# Altium PCB Calipso V2.0 REV4.0.PcbDoc (part 2 of 5)
Units mm, origin at the board's own origin, x right, y up, seen from the top; angles counter-clockwise.
Board outline 192.5 x 156.5 mm, 2 copper layers (Top Layer, Bottom Layer); 418 components, 329 nets, 1534 pads, 1623 vias.
Unrouted connection lines stored in the file: 1.
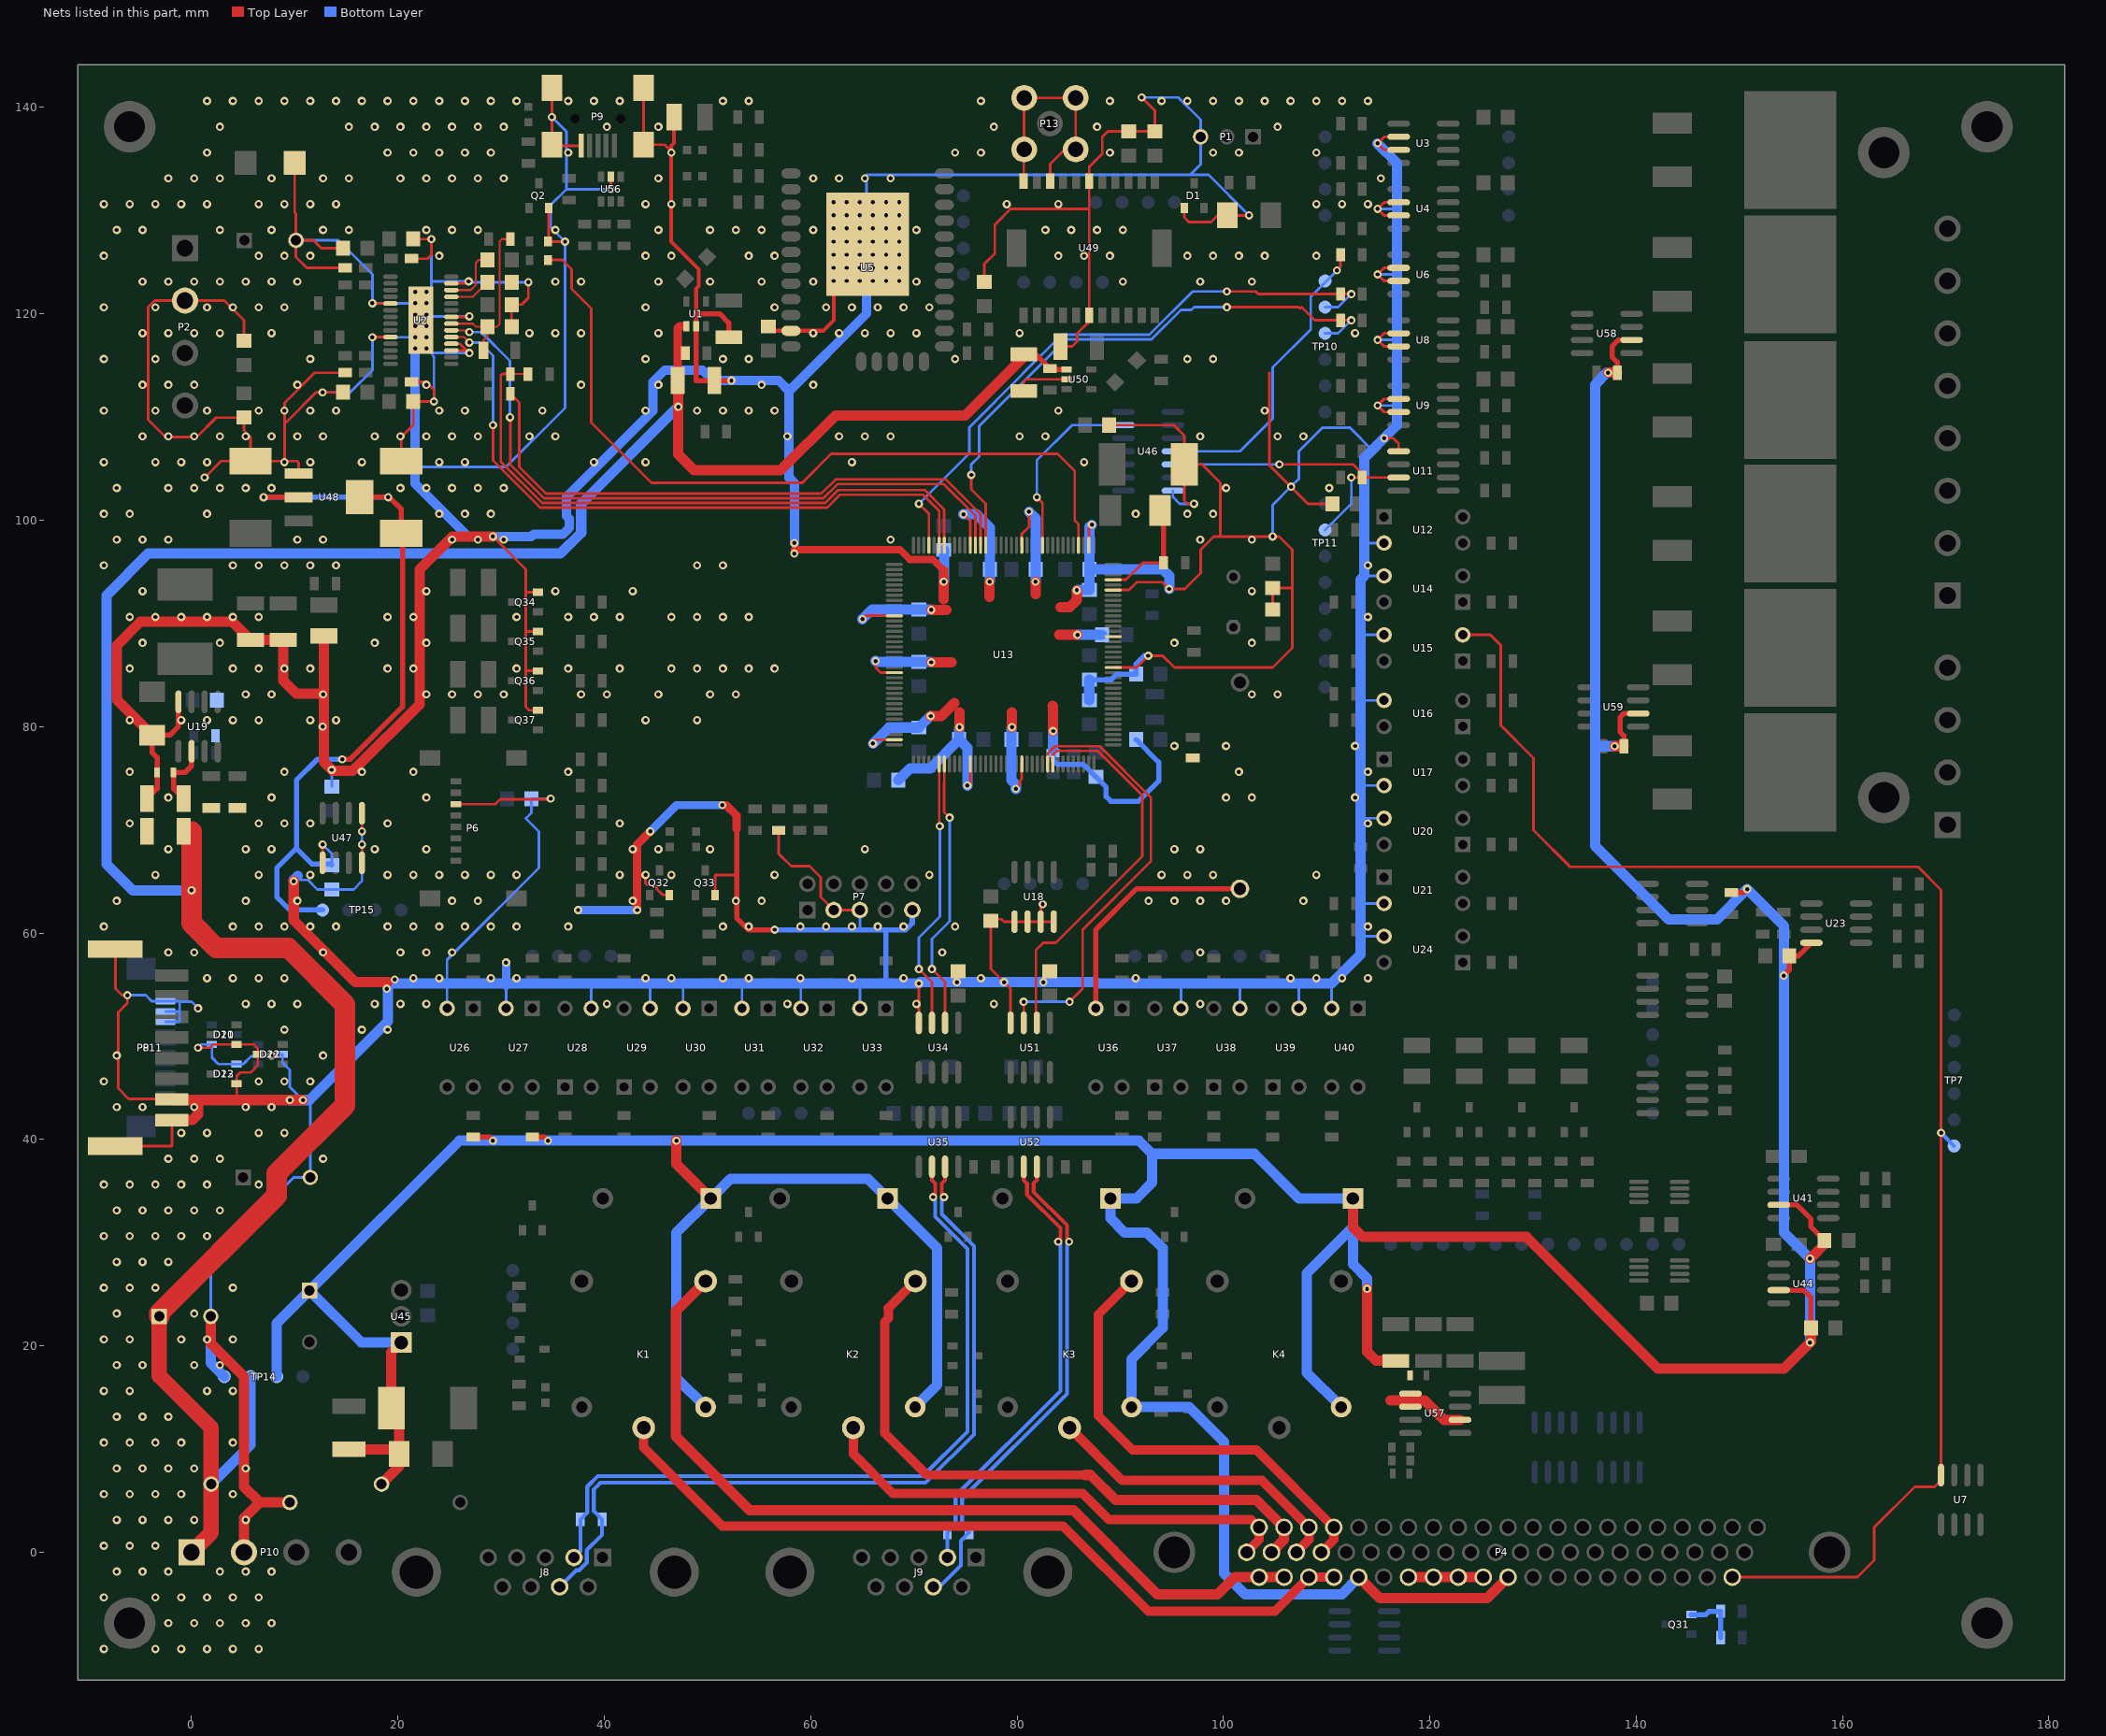
[diagram p2: the nets of this part, all layers, seen from the top]

## Part data
BOOT1 GPS1 R107 R163 R164 R165 WIFI1: "Chip resistor"
C1 C4 C6 C7 C8 C10 C11 C12 C13 C14 C15 C16 C17 C20 C21 C23 C24 C25 C26 C27 C29 C30 C31 C32 C33 C35 C36 C37 C38 C42 C43 C44 C45 C46 C47 C48 C49 C50 C51 C52 C54 C55 C56 C57 C58 C59 C60 C62 C63 C68 C69 C70 C71 C72 C73 C74 C75 C76 C77 C78 C79 C80 C87 C91: "Surface-mount ceramic multilayer capacitor"
C2 C66: library part "ChipCap 4.7uF X7R", "Surface-mount ceramic multilayer capacitor"
C3: "Polarized Capacitor (Radial) Very low impedance"
C5 C67: library part "ChipCap 10uF X7R", "Surface-mount ceramic multilayer capacitor"
C9 C18: library part "ChipCap 0.47uF X7R", "Surface-mount ceramic multilayer capacitor"
C19 C41 C64 C65: library part "Cap Pol Chip", "Polarized Capacitor (Radial)"
C22 C28 C85 C86 C88 C90 C93: library part "ChipCap 22uF X7R", "Surface-mount ceramic multilayer capacitor"
C34 C39 C40: "Polarized Capacitor (Radial)"
C81 C82 C83 C84: library part "ChipCap 1000 X7R", "Surface-mount ceramic multilayer capacitor"
C89 C92: library part "ChipCap 0.1uF X7R", "Surface-mount ceramic multilayer capacitor"
D1 D10 D12 D21 D23: "Small signal schottky dual diode"
D2: "Transient Voltage Suppressor 600W bi-directional"
D4 D20: "Transient Voltage Suppressor 600W uni-directional"
D9: "Schottky diode"
D11 D22: "Low capacitance bidirectional double ESD protection diode"
D15 D16 D17 D18: "1 Amp General Purpose Rectifier"
F2: library part "Fuse PTC1812", "Fuse PTC 1812 Thermoresistor"
FB1 FB2: library part "Ferrite Bead"
J8 J9: "Receptacle Assembly, 9 Position, Right Angle"
K1 K2 K3 K4: library part "Relay G5LE", "Relay G5LE 10A Single Pole"
L1 L2 L4 L5 L10: library part ChipInductance
LED1 LED2 LED3 LED4 LED5 LED6 LED7 LED8 LED9 LED10 LED11 LED12 LED13 LED14 LED15 LINK1 PWR1 RUN1 "STM PWR 1" "WIFI PWR 1": library part LED0603
P1: library part "Header 3 latch", "Header 3 with latch"
P2 P5 P10: library part Socket_4x5.08_RA_2Wall, "Terminal Block Socket Right Angle 4x5.08mm 2-Wall"
P3: library part Socket_8x5.08_RA_2Wall, "Terminal Block Socket Right Angle 8x5.08mm 2-Wall"
P4: "Dsub 62 Mail"
P6: library part MicroSDHeader8
P9: library part miniUSB
P13: "SMB Straight Connector"
Q1 Q6 Q9 Q12 Q14 Q16: "HEXFET N-Channel Power MOSFET"
Q2: "SOT23 NPN Silicon Planar General Purpose Transistor"
Q19 Q20 Q21 Q22 Q31: "PNP Transistor"
Q23 Q24 Q25 Q26 Q27 Q28 Q29 Q30 Q32 Q33 Q34 Q35 Q36 Q37: "NPN transistor"
R1 R2 R6 R7 R8 R9 R10 R11 R12 R13 R16 R19 R20 R21 R22 R23 R24 R25 R26 R28 R29 R30 R31 R32 R33 R35 R37 R38 R39 R40 R41 R43 R44 R45 R47 R48 R50 R51 R52 R54 R55 R56 R57 R58 R59 R60 R61 R63 R64 R65 R66 R67 R68 R70 R71 R72 R73 R74 R75 R76 R77 R78 R79 R80 R81 R82 R83 R84 R85 R86 R87 R88 R89 R90 R91 R92 R93 R94 R95 R96 R97 R98 R99 R100 R101 R102 R103 R104 R105 R106 R108 R109 R110 R111 R112 R113 R114 R115 R116 R117 R118 R119 R120 R121 R122 R123 R124 R125 R126 R127 R128 R129 R130 R131 R132 R133 R134 R135 R136 R137 R138 R139 R140 R141 R142 R143 R144 R145 R146 R148 R149 R150 R151 R152 R153 R154 R155 R156 R157 R158 R159 R160 R161 R162: "Think Film Chip resistor"
R147: library part "RES0805 100R 1%", "Think Film Chip resistor"
R166 R167: library part "ChipRes 1K5 1%", "Think Film Chip resistor"
RU1 RU2: library part "Varistor S14K25", "varistor"
TP1 TP2 TP3 TP4 TP6 TP11 TP12 TP13 TP14 TP15 TP16 TP17 TP18 TP20: library part PG-1.5-13.5-4P-2.54PH
TP5 TP7 TP8 TP9 TP10 TP21: library part PG-1.5-13.5-6P-2.54PH
U1 U50: library part LM3671MF, "600-mA Step-Down DC-DC Converter"
U2: "25-W filter-free mono class-D audio power amplifier with speaker guard"
U3 U4 U6 U8 U9 U11: "2-channel opto-coupler"
U5: library part SPWF01, "Serial-to-Wi-Fi b/g/n intelligent module"
U7 U10 U53 U54: "Transil Array for ESD protection"
U12 U14 U15 U16 U17 U20 U21 U24 U26 U27 U28 U29 U30 U31 U32 U33 U36 U37 U38 U39 U40: "4-Pin Phototransistor Optocoupler"
U13: library part STM32F407ZGT6, "ST Microcontroller ARM 32-bit Cortex M4"
U18: "256 Kbit I2C EEPROM"
U19: "DC/DC converter control circuit"
U22: "Adjustable Precision Shunt Regulator"
U23: "Dual Operational Amplifier"
U25 U55: library part TLC6515, "10-bit analog to digiyal converter"
U34 U47 U51: library part HCPL-0931-000E, "2-bit bi-direction optoisolated buffer"
U35 U52: library part MCP2551-I/SN, "CAN Transceiver"
U41 U44: "Operational Amplifier"
U42 U43: "SAR 12-bit Analog-to-Digital  (A/D)"
U45: "Linear voltage regulator 1A"
U46: "Hex Inverter"
U48: "Power Mgt Voltage Regulator"
U49: library part ML8088, "GPS Receiver"
U56: "Protection 6V 10A"
U57: "3 A, 900 kHz, monolithic synchronous step-down regulator IC"
U58 U59: library part IR4426, "IR MOSFET Dual Low Side Driver"
X1: library part "Crystall oscillator", "Quartz crystall oscillator"
X2: library part KX-327NHT, "Quartz crystal oscillator 32.768kHz"

## Free pads (board coordinates)
  round 5 hole 3: H(-6,-6.87) H(-6,138.13) H(164,73.13) H(164,135.63) H(174,-6.87) H(174,138.13)

## Via types
v1: diameter 0.8, hole 0.4, Top Layer to Bottom Layer, tented both sides, 1607 vias
v2: diameter 0.8, hole 0.4, Top Layer to Bottom Layer, 12 vias
v3: diameter 3, hole 2, Top Layer to Bottom Layer, 2 vias
v4: diameter 1.5, hole 1, Top Layer to Bottom Layer, 2 vias

## Nets (pads, with @x,y where several pads share a name; then routed paths per layer and width w, separated by ;. In a path a pad name is that pad's centre, name@x,y a point inside that pad or via, vN(x,y) a via of type N, cw(c..) or ccw(c..) an arc to the next point about the centre after c; other vN are vias at no path point)
0: P13.2 U49.20 U49.22 | length 22.8
  Top Layer w0.254: U49.22@80.645,133.119 80.645,136.144 80.685,136.184 P13.2@80.685,141.184 ; P13.2@80.685,140.93 P13.2@85.685,140.93 P13.2@85.685,135.93 84.622,135.93 83.208,134.516 U49.20@83.208,132.865
5V: C2.2 C28.2 C39.1 C66.2 C90.2 C92.2 P10.1 R1.2 R70.1 R71.1 R141.2 RU1.2 TP14.3 U1.1 U19.6 U50.1 | length 265.5
  Top Layer w0.381: 47.625,118.815 U1.1@47.945,118.815
  Top Layer w0.5: C90.2@-0.765,73.025 -1.74,74 C92.2@-1.74,75.565 -0.635,75.565 0,76.2 U19.6@0,77.61 ; C66.2@80.645,116.075 81.825,116.075 R141.2@83.185,114.715 83.285,114.615 U50.1@84.779,114.615
  Top Layer w0.8: C2.2@47.12,113.538 47.12,118.621 47.314,118.815 47.625,118.815
  Top Layer w1: C2.2@47.173,113.538 v1(47.173,110.998) 47.173,106.37 48.704,104.838 57.087,104.838 62.413,110.165 74.986,110.165 C66.2@80.771,115.95
  Top Layer w1.5: C39.1@-3.135,22.86 -3.135,17.105 1.905,12.065 RU1.2@1.905,6.604 1.905,1.905 P10.1@0,0
  Top Layer w2: C39.1@-3.135,22.86 -3.135,23.154 8.255,34.544 8.255,36.703 14.859,43.307 14.859,53.086 9.398,58.547 2.413,58.547 0,60.96 v1(0,64.135) 0,69.85
  Bottom Layer w1: v1(0,64.135) -5.715,64.135 -8.255,66.675 -8.255,92.71 -4.191,96.774 35.75,96.774 37.76,98.784 37.76,101.585 v1(47.173,110.998) ; RU1.2@1.905,6.604 5.715,10.414 TP14.3@5.715,17.018
12V: C32.2 C36.1 C38.1 C40.1 C41.1 C42.2 C43.2 C88.2 C89.2 D15.2 D16.2 D17.2 D18.2 D20.1 F2.1 K1.5 K2.5 K3.5 K4.5 P4.47 P4.53 R77.2 R106.2 R107.2 RU2.2 TP14.2 U23.8 U41.7 U44.7 U45.1 U57.1 U57.2 U57.6 U58.6 U59.6 | length 559.9
  Top Layer w0.5: R106.2@27.305,40.225 28.864,40.225 v1(29.211,39.878) ; R107.2@33.021,40.225 34.198,40.225 v1(34.545,39.878) ; C43.2@138.16,114.3 138.16,115.332 137.668,115.824 137.668,116.84 138.303,117.475 U58.6@139.56,117.475 ; C42.2@138.795,78.105 138.795,79.137 138.43,79.502 138.43,80.899 138.811,81.28 U59.6@140.195,81.28 ; R77.2@149.225,63.915 150.402,63.915 v1(150.749,64.262) ; U44.7@153.81,25.4 156.21,25.4 156.94,24.67 C38.1@156.94,22.225 ; U41.7@153.81,33.655 155.575,33.655 156.94,32.29 156.94,31.528 C36.1@158.242,30.226 ; v1(154.305,55.88) 154.845,56.42 C32.2@154.845,57.785 155.715,57.785 U23.8@156.985,59.055
  Top Layer w1: F2.1@15.24,9.965 19.685,9.965 D20.1@20.125,9.525 ; RU2.2@18.415,6.604 20.125,8.314 D20.1@20.125,9.525 ; U45.1@20.32,20.32 19.36,19.36 C41.1@19.36,13.97 20.125,13.205 D20.1@20.125,9.525 ; v1(46.991,39.878) 46.991,37.614 D15.2@50.315,34.29 ; D18.2@112.545,34.29 112.545,31.473 113.468,30.55 129.343,30.55 142.113,17.78 154.305,17.78 v1(156.845,20.32) 156.94,20.415 C38.1@156.94,21.717 ; P4.47@113.112,-2.413 115.144,-4.445 125.558,-4.445 P4.53@127.59,-2.413 ; v1(113.919,25.527) 113.919,19.431 114.805,18.545 C88.2@116.713,18.545 ; 116.205,14.732 119.507,14.732 121.412,12.827 U57.6@122.923,12.827 ; v1(137.287,114.3) C43.2@138.16,114.3 ; v1(137.922,78.105) C42.2@138.795,78.105 ; v1(156.845,28.448) 158.242,29.845 C36.1@158.242,30.226
  Bottom Layer w1: TP14.2@8.255,17.018 8.255,22.185 C40.1@11.43,25.36 ; U45.1@20.32,20.32 16.47,20.32 C40.1@11.43,25.36 ; K1.5@49.815,14.065 46.99,16.89 46.99,30.965 D15.2@50.315,34.29 52.22,36.195 65.555,36.195 D16.2@67.46,34.29 72.263,29.487 72.263,16.193 K2.5@70.135,14.065 ; K4.5@111.41,14.065 108.077,17.398 108.077,27.051 112.545,31.519 ; P4.47@113.112,-2.413 111.461,-4.064 102.108,-4.064 100.076,-2.032 100.076,10.668 96.679,14.065 K3.5@91.09,14.065 91.09,18.7 94.107,21.717 94.107,29.464 92.583,30.988 90.424,30.988 89.05,32.362 D17.2@89.05,34.29 91.567,34.29 93.091,35.814 93.091,38.608 ; v1(113.919,25.527) 113.919,26.543 112.545,27.917 112.545,31.519 ; v1(137.287,114.3) 137.16,114.3 136.017,113.157 136.017,78.105 ; v1(137.922,78.105) 136.017,78.105 ; v1(156.845,20.32) v1(156.845,28.448) 154.305,30.988 v1(154.305,55.88) 154.305,60.706 v1(150.749,64.262) 147.828,61.341 143.129,61.341 136.017,68.453 136.017,78.105 ; C40.1@11.43,25.36 25.948,39.878 v1(34.545,39.878) v1(46.991,39.878) 91.821,39.878 93.091,38.608 ; 93.091,38.608 102.997,38.608 107.315,34.29 D18.2@112.545,34.29 112.545,31.519
15V: P4.49 P4.50 P4.51 P4.52 | length 7.2
  Top Layer w1: P4.49@117.938,-2.413 P4.50@120.351,-2.413 P4.51@122.764,-2.413 P4.52@125.177,-2.413
+5DV: C25.2 C65.1 TP15.1 U47.1 U48.2 U48.4 | length 77.7
  Top Layer w0.254: U47.1@12.7,66.815 v1(12.7,68.58)
  Top Layer w0.5: v1(6.985,102.235) U48.2@10.385,102.235 ; v1(14.605,76.835) 15.367,76.835 20.447,81.915 C65.1@20.447,98.735 ; U48.4@16.285,102.235 v1(19.05,102.235) 19.177,102.235 20.32,101.092 C65.1@20.32,98.735
  Bottom Layer w0.254: v1(12.7,68.58) 13.589,67.691 C25.2@13.589,66.58
  Bottom Layer w0.5: v1(6.985,102.235) v1(19.05,102.235) ; TP15.1@12.7,62.23 9.525,62.23 8.255,63.5 8.255,66.294 10.16,68.199 ; C25.2@13.589,66.58 13.494,66.675 11.684,66.675 10.16,68.199 ; v1(14.605,76.835) 12.192,76.835 10.16,74.803 10.16,68.199
ADC_MISO: R35.1 TP11.2 U11.7 U46.5 | length 29.6
  Top Layer w0.254: v1(105.41,105.41) 112.55,105.41 113.82,104.14 U11.7@116.98,104.14 ; v1(112.395,104.14) R35.1@113.445,104.14
  Bottom Layer w0.254: U46.5@95.11,105.41 v1(105.41,105.41) ; TP11.2@109.855,99.06 112.395,101.6 v1(112.395,104.14)
ADC_PRESSURE: U13.22
AGND: "STM PWR 1.1" "WIFI PWR 1.1" C2.1 C3.2 C5.1 C6.2 C10.1 C12.1 C13.1 C15.2 C16.2 C17.1 C19.2 C20.2 C21.2 C22.1 C23.1 C24.1 C25.1 C26.1 C27.1 C28.1 C34.2 C39.2 C44.2 C45.1 C46.1 C47.1 C48.1 C49.1 C50.2 C51.1 C52.1 C54.1 C55.1 C56.1 C57.1 C58.1 C59.2 C60.2 C63.1 C64.2 C65.2 C66.1 C67.1 C68.1 C69.1 C70.1 C71.1 C72.1 C76.2 C77.1 C78.1 C79.1 C80.1 C81.1 C82.1 C83.1 C84.1 C90.1 C91.1 C92.1 C93.1 D1.1 D2.1 D4.2 D9.1 D10.1 D11.3 D12.1 D21.1 D22.3 D23.1 P1.3 P2.2 P6.3 P7.3 P7.5 P7.9 P8.7 P8.8 P8.9 P8.10 P9.5 P9.6 P9.7 P9.8 P9.9 P10.2 P11.8 P11.9 P11.10 P12.1 Q2.2 Q32.2 Q33.2 Q34.2 Q35.2 Q36.2 Q37.2 R56.1 R64.1 R153.1 R160.2 RU1.1 TP14.4 U1.2 U2.3 U2.4 U2.8 U2.13 U2.19 U2.24 U2.29 U3.2 U3.3 U4.2 U4.3 U5.23 U5.25 U6.2 U6.3 U8.2 U8.3 U9.2 U9.3 U11.5 U12.2 U13.16 U13.31 U13.38 U13.51 U13.61 U13.83 U13.94 U13.107 U13.120 U13.130 U14.3 U15.3 U16.3 U17.2 U18.1 U18.2 U18.3 U18.4 U19.4 U20.3 U21.2 U24.3 U26.2 U27.2 U28.3 U29.3 U30.2 U31.2 U32.2 U33.2 U34.4 U36.2 U37.3 U38.3 U39.3 U40.2 U46.7 U47.4 U47.5 U48.1 U49.6 U49.17 U50.2 U51.4 U56.2 | length 1536.6
  Top Layer w0.254: P8.10@-7.385,39.345 -1.93,39.345 -1.905,39.37 P8.8@-1.905,41.88 ; P8.9@-7.385,58.445 -7.385,54.629 -6.731,53.975 v1(-6.223,53.975) -6.223,53.212 -7.112,52.323 -7.112,44.963 -6.091,43.942 -1.967,43.942 P8.7@-1.905,43.88 ; v1(0.635,48.895) 1.778,48.895 2.098,49.215 6.03,49.215 6.42,48.825 D11.3@6.42,48.26 6.42,47.187 5.715,46.482 4.699,46.482 4.375,46.158 D12.1@4.375,45.405 4.375,43.872 4.318,43.815 ; v1(0.635,52.705) v1@0.877,52.705 ; v1(1.27,104.14) 2.865,105.735 C64.2@5.715,105.735 ; C15.2@5.08,117.38 5.08,119.38 3.175,121.285 P2.2@-0.635,121.285 -3.556,121.285 -4.191,120.65 -4.191,109.728 -2.54,108.077 0.508,108.077 2.381,109.95 C20.2@5.08,109.95 5.08,108.712 5.715,108.077 C64.2@5.715,105.735 ; D2.1@9.995,134.62 9.995,129.832 10.12,129.707 C3.2@10.12,127.127 ; U48.1@10.385,104.535 10.385,105.566 10.216,105.735 v1@9.017,105.735 ; C79.1@14.7,112.395 v1(12.7,112.395) 12.065,112.395 9.017,109.347 ; C77.1@14.7,126.365 12.573,126.365 11.811,127.127 C3.2@10.12,127.127 ; C83.1@14.875,114.3 11.938,114.3 9.017,111.379 9.017,109.347 ; C82.1@14.875,124.46 11.176,124.46 10.12,125.516 C3.2@10.12,127.127 ; U47.4@16.51,66.815 v1(16.51,68.58) ; v1(16.51,69.85) U47.5@16.51,71.615 ; v1(17.526,117.729) 17.552,117.755 U2.24@19.275,117.755 ; v1(17.526,121.031) 17.552,121.005 U2.19@19.275,121.005 ; C65.2@20.32,105.735 20.32,108.077 21.495,109.252 C80.1@21.495,111.506 v1(23.495,111.506) 23.495,112.649 22.733,113.411 C84.1@21.32,113.411 ; C81.1@21.32,125.349 22.86,125.349 23.241,125.73 v1(23.241,127.254) C78.1@21.495,127.254 ; U2.3@25.175,116.455 v1@26.674,116.455 ; U2.4@25.175,117.105 26.012,117.105 26.623,116.494 26.635,116.494 v1@26.674,116.455 ; U2.8@25.175,119.705 26.853,119.705 26.924,119.634 v1(26.924,119.761) ; U2.13@25.175,122.955 v1@26.689,122.955 ; P6.3@25.626,72.492 29.432,72.492 29.911,72.971 34.871,72.971 34.817,73.025 v1(34.798,73.025) ; v1(26.924,116.205) v1@26.674,116.455 ; v1(29.21,98.425) 32.385,95.25 32.385,93.091 ; C63.1@31.02,118.745 C76.2@31.02,120.904 32.004,120.904 32.639,121.539 v1(32.639,123.063) ; Q37.2@33.585,81.595 32.705,81.595 32.385,81.915 32.385,85.471 ; Q36.2@33.585,85.405 32.451,85.405 32.385,85.471 ; Q35.2@33.585,89.215 32.446,89.215 32.385,89.154 ; Q34.2@33.585,93.025 32.451,93.025 32.385,93.091 ; Q2.2@34.605,130.245 34.605,127.05 R160.2@34.555,127 v1(36.195,127) ; P9.7@34.92,141.895 P9.6@34.92,136.395 35.02,136.295 P9.5@37.77,136.295 ; v1(40.64,132.08) U56.2@40.64,133.28 ; 43.18,65.659 43.209,65.63 v1(44,65.63) 44,64.839 44.196,64.643 44.863,64.643 45.066,64.44 45.066,64.281 45.65,63.697 Q32.2@46.289,63.697 ; P9.9@43.82,141.895 P9.8@43.82,136.395 45.85,136.395 v1@46.482,135.763 ; Q33.2@50.734,63.697 50.734,65.593 50.771,65.63 52.803,65.63 52.803,65.561 ; R64.1@56.896,69.943 56.896,67.691 58.112,66.475 59.883,66.475 60.96,65.398 60.96,63.5 P7.3@62.23,62.23 P7.5@64.77,62.23 ; v1(65.024,90.424) 65.37,90.77 66.722,90.77 66.747,90.745 U13.83@68.14,90.745 ; v1(66.04,78.359) 66.04,78.486 66.299,78.745 U13.107@68.14,78.745 ; v1(66.294,86.36) 66.294,85.725 66.774,85.245 U13.94@68.14,85.245 ; U34.4@70.486,51.295 v1(70.486,55.118) ; v1(74.168,55.245) 74.168,56.166 C27.1@74.295,56.293 ; v1(74.803,100.584) 75.459,99.928 U13.61@75.459,97.583 ; v1(75.184,74.295) 75.459,74.57 U13.120@75.459,76.383 ; U13.61@75.467,97.572 U13.61@75.468,97.574 ; C16.2@76.835,123.095 76.835,124.841 77.851,125.857 77.851,128.651 79.375,130.175 86.995,130.175 ; U51.4@79.375,51.295 79.375,54.61 v1(78.74,55.245) 77.47,56.515 C12.1@77.47,61.182 77.629,61.341 78.486,61.341 78.727,61.1 U18.1@79.756,61.1 U18.2@81.026,61.1 U18.3@82.296,61.1 ; v1(79.883,73.979) 80.264,74.36 80.264,74.721 80.459,74.916 U13.130@80.459,76.383 ; U13.51@80.459,97.583 80.459,98.664 81.168,99.373 81.168,100.823 v1(81.153,100.838) ; C66.1@80.645,112.525 80.645,113.411 80.899,113.665 U50.2@84.779,113.665 ; v1(82.486,62.801) 82.296,62.611 U18.3@82.296,61.1 ; v1(82.55,55.245) C72.1@82.55,56.293 ; U18.4@83.566,61.1 U18.3@82.296,61.1 ; C67.1@84.204,116.84 85.344,116.84 85.852,117.348 85.852,118.11 86.995,119.253 U49.6@86.995,119.865 86.995,130.175 ; U13.38@86.959,97.583 86.959,99.278 v1(87.249,99.568) ; C17.1@88.932,109.22 95.194,109.22 96.21,108.204 C19.2@96.21,105.41 ; U13.16@89.34,85.745 91.587,85.745 v1(92.71,86.868) 94.107,86.868 95.25,85.725 104.775,85.725 106.68,87.63 106.68,93.345 ; U13.31@89.34,93.245 90.846,93.245 91.596,93.995 94.092,93.995 v1(94.742,93.345) 96.266,93.345 97.79,94.869 97.79,97.155 99.06,98.425 99.695,98.425 ; v1(92.075,140.97) 93.345,139.7 C69.1@93.345,137.7 C68.1@90.805,137.7 88.805,137.7 88.265,137.16 88.265,135.509 86.995,134.239 U49.17@86.995,132.865 86.995,130.175 ; D1.1@96.205,130.245 96.205,129.347 96.647,128.905 98.806,128.905 99.441,129.54 D4.2@100.389,129.54 v1(102.489,129.54) ; v1(97.155,101.6) 96.52,101.6 96.21,101.91 C19.2@96.21,105.41 ; 104.465,114.3 104.465,105.327 108.192,101.6 C21.2@110.585,101.6 ; C24.1@104.775,91.345 C23.1@104.775,93.44 106.585,93.44 106.68,93.345 ; v1(115.57,107.95) 116.459,107.95 116.98,107.429 U11.5@116.98,106.68 ; U9.3@116.98,110.49 115.57,110.49 v1(114.935,111.125) 115.57,111.76 U9.2@116.98,111.76 ; U8.3@116.98,116.84 115.57,116.84 v1(114.935,117.475) 115.57,118.11 U8.2@116.98,118.11 ; U6.3@116.98,123.19 115.57,123.19 v1(114.935,123.825) 115.57,124.46 U6.2@116.98,124.46 ; U4.3@116.98,129.54 115.57,129.54 v1(114.935,130.175) 115.57,130.81 U4.2@116.98,130.81 ; U3.3@116.98,135.89 115.57,135.89 v1(114.935,136.525) 115.57,137.16 U3.2@116.98,137.16 ; C64.2@5.715,105.735 v1@9.017,105.735 ; v1@9.017,105.735 9.017,109.347 ; 32.385,85.471 32.385,89.154 ; 32.385,89.154 32.385,93.091 ; C19.2@96.21,105.41 97.917,105.41 99.695,103.632 99.695,98.425 ; 99.695,98.425 v1(104.775,98.425) 105.41,98.425 106.68,97.155 106.68,93.345
  Top Layer w0.381: 46.76,139.065 46.76,136.549 46.482,136.271 46.482,135.763 46.482,127 49.144,124.338 49.144,122.682 48.895,122.433 48.895,120.015 U1.2@48.895,118.815 ; C6.2@55.88,118.777 56.293,118.364 U5.23@58.097,118.364 61.214,118.364 62.23,119.38 62.23,123.38 U5.25@65.59,126.74
  Top Layer w0.5: C90.1@-4.315,73.025 -3.34,74 C92.1@-3.34,75.565 -3.34,77 -3.81,77.47 D9.1@-3.81,79.18 -2.1,79.18 -1.27,80.01 U19.4@-1.27,82.41 ; U1.2@48.895,118.815 48.895,113.538 C2.1@50.67,113.538 v1(52.324,113.538) ; 48.895,120.015 51.181,120.015 52.07,119.126 C5.1@52.07,117.732 ; 52.832,70.104 52.832,61.468 53.975,60.325 v1(56.515,60.325) ; U36.2@87.63,52.705 87.63,60.325 91.6,64.295 P12.1@101.6,64.295
  Top Layer w0.7: v1@58.42,97.155 68.648,97.155 69.595,96.208 71.813,96.208 72.898,95.123
  Top Layer w0.8: v1(43.18,62.23) 43.18,65.659 43.18,68.58 v1(44.45,69.85) ; v1(51.435,72.39) 51.816,72.39 52.832,71.374 52.832,70.104
  Top Layer w0.9: v1(72.898,94.045) 72.898,95.123
  Top Layer w1: D9.1@-3.81,79.18 -7.239,82.609 -7.239,87.884 -4.953,90.17 3.94,90.17 C22.1@5.715,88.395 C93.1@8.89,88.395 8.89,84.455 10.16,83.185 v1@12.827,83.185 ; P8.8@-1.905,41.88 0.097,41.88 0.635,42.418 0.635,43.815 ; P8.7@-1.905,43.88 -1.84,43.815 0.635,43.815 ; C39.2@1.865,22.86 1.865,20.233 5.08,17.018 5.08,6.35 6.604,4.826 ; P10.2@5.08,0 5.08,3.302 6.604,4.826 ; RU1.1@9.525,4.826 6.604,4.826 ; v1(9.906,65.024) 9.906,61.214 15.875,55.245 19.05,55.245 ; v1(10.795,43.815) v1(9.525,43.815) 4.318,43.815 0.635,43.815 ; 12.827,88.797 v1@12.827,83.185 ; v1(29.21,98.425) 25.273,98.425 22.098,95.25 22.098,82.169 16.002,76.073 15.949,76.073 15.61,75.735 13.673,75.735 v1(13.589,75.819) 12.827,76.581 v1@12.827,83.185 ; v1(71.628,81.026) 72.644,81.026 73.914,82.296 ; v1(71.69,86.233) 73.66,86.233 ; v1(71.69,91.313) 73.152,91.313 ; 72.898,92.329 v1(72.898,94.045) ; v1(74.422,79.945) 74.422,81.407 ; 77.343,92.583 v1(77.343,94.045) ; v1(79.502,79.945) 79.502,81.407 ; 81.788,92.837 v1(81.788,94.045) ; 83.439,82.042 83.49,81.991 v1(83.49,79.578) ; 84.074,88.9 v1(85.852,88.9) ; 84.201,91.567 85.09,91.567 85.79,92.267 v1(85.79,93.218)
  Bottom Layer w0.254: v1(-6.223,53.975) -4.445,53.975 -3.865,53.395 P11.10@-2.54,53.395 -1.198,53.395 -1.143,53.34 ; P11.8@-2.54,51.395 -1.183,51.395 -1.143,51.435 -1.143,52.395 ; P11.9@-2.54,52.395 -1.143,52.395 ; v1(0.635,48.895) 0.955,49.215 D21.1@1.975,49.215 1.975,47.936 2.606,47.305 D23.1@4.375,47.305 5.014,47.305 5.769,48.06 7.674,48.06 7.874,48.26 D22.3@8.82,48.26 8.82,47.441 9.525,46.736 9.525,45.085 v1(10.795,43.815) ; v1(0.635,52.705) 0,53.34 -1.143,53.34 ; C39.2@1.865,22.86 1.865,28.281 9.906,36.322 C34.2@11.505,36.322 11.505,43.74 11.43,43.815 ; v1@9.906,65.151 11.271,65.151 12.192,64.23 15.716,64.23 16.51,65.024 v1(16.51,68.58) v1(16.51,69.85) ; C3.2@10.12,127.127 14.224,127.127 17.526,123.825 v1(17.526,121.031) v2(21.675,121.03) v2(21.675,121.03) ; v1(12.7,112.395) 15.367,112.395 17.526,114.554 v1(17.526,117.729) v2(21.675,117.73) v2(21.675,117.73) ; C13.1@13.589,74.2 v1(13.589,75.819) ; 21.675,105.156 30.473,105.156 36.195,110.878 v1(36.195,127) 34.798,128.397 34.798,130.556 36.322,132.08 ; v2(22.775,116.63) 23.2,116.205 v1(26.924,116.205) ; v2(22.775,119.93) 22.944,119.761 v1(26.924,119.761) ; 23.241,122.682 23.241,123.151 ; v1(23.241,127.254) 23.241,123.151 ; 23.368,115.951 23.495,115.824 v1(23.495,111.506) ; U26.2@24.765,52.705 24.765,55.117 24.765,57.404 33.655,66.294 33.655,69.85 32.385,71.12 32.925,71.66 C60.2@32.925,73.025 v1(34.798,73.025) ; U27.2@30.481,52.705 30.481,54.864 ; v1(32.639,123.063) 26.947,123.063 v1(26.859,123.151) 23.241,123.151 ; v1(34.925,139.065) 36.322,137.668 36.322,132.08 ; U28.3@38.735,52.705 38.735,55.117 ; v1(40.64,132.08) 36.322,132.08 ; U29.3@44.451,52.705 44.451,55.118 ; U30.2@47.625,52.705 47.625,55.117 ; U31.2@53.34,52.705 53.34,55.117 ; U32.2@59.055,52.705 59.056,55.118 ; U33.2@64.77,52.705 64.77,55.117 ; P7.5@64.77,62.23 64.77,60.452 64.897,60.325 ; 65.278,127.508 65.405,127.635 65.405,133.477 96.774,133.477 ; v1@67.183,123.444 68.326,122.301 ; U36.2@87.63,52.705 87.63,54.991 87.757,55.118 ; v1(92.075,140.97) 95.631,140.97 97.79,138.811 P1.3@97.79,137.16 97.79,134.493 96.774,133.477 ; U46.7@95.11,102.87 95.11,102.248 95.758,101.6 v1(97.155,101.6) ; U37.3@95.885,52.705 95.885,55.118 ; U38.3@101.6,52.705 101.6,55.118 ; v1(102.489,129.54) 98.552,133.477 96.774,133.477 ; v1(104.775,98.425) 104.775,101.473 v1(106.553,103.251) 107.315,104.013 107.315,106.68 109.601,108.966 112.268,108.966 114.427,106.807 ; U39.3@107.315,52.705 107.315,54.991 107.442,55.118 ; U40.2@110.49,52.705 110.49,55.118 ; 113.284,59.69 U24.3@115.57,59.69 ; 113.284,62.865 U21.2@115.57,62.865 ; 113.284,71.12 U20.3@115.57,71.12 ; 113.284,74.295 U17.2@115.57,74.295 ; 113.284,82.677 113.411,82.55 U16.3@115.57,82.55 ; 113.284,88.9 U15.3@115.57,88.9 ; 113.665,94.615 U14.3@115.57,94.615 ; 113.665,97.79 U12.2@115.57,97.79 ; v1(114.935,111.125) 116.84,111.125 ; v1(114.935,117.475) 116.84,117.475 ; v1(114.935,123.825) 116.84,123.825 ; v1(114.935,130.175) 116.84,130.175 ; -1.143,52.395 -1.143,53.34
  Bottom Layer w0.5: v1(56.515,60.325) 64.897,60.325 67.31,60.325 ; 67.183,55.118 67.31,55.245 67.31,60.325 ; P7.9@69.85,62.23 69.85,60.96 69.215,60.325 67.31,60.325 ; R153.1@83.49,77.82 83.49,76.784 83.947,76.327 86.455,76.327 C58.1@87.63,75.152 88.646,74.136 88.646,73.221 89.096,72.771 91.753,72.771 93.726,74.744 93.726,76.549 C70.1@91.535,78.74 ; C51.1@86.995,84.55 89.122,84.55 89.662,85.09 C71.1@91.535,85.09 91.535,86.074 92.329,86.868 v1(92.71,86.868)
  Bottom Layer w0.8: 30.481,54.864 v1(30.481,57.15) ; v1(37.465,62.23) v1(43.18,62.23) ; v1(44.45,69.85) 46.99,72.39 v1(51.435,72.39)
  Bottom Layer w0.9: v2(21.675,116.63) 21.675,105.156 21.675,103.547 26.797,98.425 v1(29.21,98.425) 32.918,98.425 33.138,98.645 35.995,98.645 36.61,99.26 36.61,100.13 36.337,100.403 36.337,102.25 44.704,110.617 44.704,113.411 45.847,114.554 49.53,114.554 50.546,113.538 v1(52.324,113.538) 56.896,113.538 57.912,112.522 ; v1(58.42,97.79) 58.42,103.632 57.912,104.14 57.912,112.522 ; 65.405,125.095 65.405,120.015 57.912,112.522 ; 66.675,123.19 66.675,124.968
  Bottom Layer w1: C39.2@1.865,22.86 1.865,18.328 TP14.4@3.175,17.018 ; v1(9.525,43.815) v1(10.795,43.815) 11.43,43.815 19.05,51.435 19.05,55.117 24.765,55.117 30.479,55.117 ; v1@9.906,65.151 10.287,65.532 ; 30.48,55.118 38.736,55.118 44.451,55.118 47.626,55.118 53.341,55.118 59.056,55.118 64.771,55.118 67.183,55.118 v1(70.486,55.118) 70.613,55.245 v1(74.168,55.245) v1(78.74,55.245) v1(82.55,55.245) 87.63,55.245 87.757,55.118 95.885,55.118 101.6,55.118 107.442,55.118 110.49,55.118 113.284,57.912 113.284,59.69 113.284,62.865 113.284,71.12 113.284,74.295 113.284,82.677 113.284,88.9 113.284,94.234 113.665,94.615 113.665,97.79 113.665,106.045 114.427,106.807 v1(115.57,107.95) 116.84,109.22 116.84,111.125 116.84,117.475 116.84,123.825 116.84,130.175 116.84,134.62 v1(114.935,136.525) ; v1(65.024,90.424) 65.945,91.345 71.658,91.345 v1(71.69,91.313) ; v1(66.04,78.359) 67.596,79.915 C55.1@70.485,79.915 71.596,81.026 v1(71.628,81.026) ; v1(66.294,86.36) 66.389,86.265 C52.1@70.485,86.265 71.658,86.265 v1(71.69,86.233) ; C59.2@68.485,74.803 69.628,75.946 71.596,75.946 C57.1@74.39,78.74 ; v1(72.898,94.045) 72.93,94.077 72.93,97.091 C44.2@72.898,97.123 ; v1(74.422,79.945) 74.39,79.913 C57.1@74.39,78.74 ; v1(74.803,100.584) 76.073,100.584 77.375,99.282 77.375,94.077 v1(77.343,94.045) ; v1(75.184,74.295) 75.184,77.946 C57.1@74.39,78.74 ; v1(79.502,79.945) 79.47,79.913 79.47,74.835 79.883,74.422 v1(79.883,73.979) ; v1(81.153,100.838) 81.82,100.171 C46.1@81.82,95.25 ; v1(81.788,94.045) C46.1@81.788,95.25 ; R153.1@83.49,77.82 v1(83.49,79.578) ; v1(85.79,93.218) 85.822,93.25 C48.1@86.995,93.25 87.027,93.282 C45.1@87.027,95.25 ; v1(85.852,88.9) C50.2@88.233,88.9 ; C54.1@86.995,82.582 C51.1@86.995,84.55 ; v1(87.249,99.568) 87.027,99.346 C45.1@87.027,95.25 ; v1(94.742,93.345) 94.742,94.615 94.107,95.25 C45.1@87.027,95.25
  other v1: -8.5,-9.37 -3.5,-9.37 -1,-9.37 1.5,-9.37 4,-9.37 6.5,-9.37 -2.25,-6.87 0.25,-6.87 2.75,-6.87 5.25,-6.87 7.75,-6.87 -8.5,-4.37 -3.5,-4.37 -1,-4.37 1.5,-4.37 4,-4.37 6.5,-4.37 -7.25,-1.87 -4.75,-1.87 -2.25,-1.87 2.75,-1.87 5.25,-1.87 7.75,-1.87 -8.5,0.63 -6,0.63 -3.5,0.63 -7.25,3.13 -4.75,3.13 -2.25,3.13 0.25,3.13 5.25,3.13 -8.5,5.63 -6,5.63 -3.5,5.63 -1,5.63 4,5.63 -7.25,8.13 -4.75,8.13 -2.25,8.13 0.25,8.13 5.25,8.13 -8.5,10.63 -6,10.63 -3.5,10.63 -1,10.63 4,10.63 -7.25,13.13 -4.75,13.13 -2.25,13.13 -8.5,15.63 -6,15.63 1.5,15.63 4,15.63 -7.25,18.13 -4.75,18.13 0.25,18.13 2.75,18.13 -8.5,20.63 -6,20.63 -1,20.63 1.5,20.63 4,20.63 -7.25,23.13 0.25,23.13 -8.5,25.63 -6,25.63 -3.5,25.63 4,25.63 -7.25,28.13 -4.75,28.13 -2.25,28.13 -8.5,30.63 -6,30.63 -3.5,30.63 -1,30.63 1.5,30.63 -7.25,33.13 -4.75,33.13 -2.25,33.13 0.25,33.13 2.75,33.13 -8.5,35.63 -6,35.63 -3.5,35.63 -1,35.63 1.5,35.63 6.5,35.63 -2.25,38.13 0.25,38.13 2.75,38.13 12.75,38.13 -1,40.63 1.5,40.63 6.5,40.63 9,40.63 -7.25,43.13 -4.75,43.13 0.25,43.13 5.25,43.13 7.75,43.13 -8.5,45.63 6.5,45.63 9,45.63 11.5,45.63 -7.25,48.13 7.75,48.13 12.75,48.13 9,50.63 16.5,50.63 19,50.63 5.25,53.13 7.75,53.13 10.25,53.13 17.75,53.13 20.25,53.13 22.75,53.13 40.25,53.13 57.75,53.13 70.25,53.13 77.75,53.13 97.75,53.13 18.923,54.61 19.685,55.499 1.5,55.63 4,55.63 6.5,55.63 9,55.63 21.5,55.63 24,55.63 29,55.63 31.5,55.63 44,55.63 46.5,55.63 51.5,55.63 54,55.63 59,55.63 64,55.63 69,55.63 76.5,55.63 91.5,55.63 106.5,55.63 109,55.63 111.5,55.63 114,55.63 -2.25,58.13 0.25,58.13 12.75,58.13 20.25,58.13 22.75,58.13 25.25,58.13 72.75,58.13 97.75,58.13 -8.5,60.63 4,60.63 6.5,60.63 9,60.63 11.5,60.63 14,60.63 19,60.63 21.5,60.63 24,60.63 26.5,60.63 29,60.63 31.5,60.63 36.5,60.63 51.5,60.63 54,60.63 59,60.63 61.5,60.63 64,60.63 66.5,60.63 69,60.63 74,60.63 114,60.63 -7.25,63.13 5.25,63.13 10.25,63.13 25.25,63.13 27.75,63.13 42.75,63.13 52.75,63.13 55.25,63.13 92.75,63.13 95.25,63.13 97.75,63.13 100.25,63.13 107.75,63.13 -3.5,65.63 6.5,65.63 11.5,65.63 19,65.63 21.5,65.63 24,65.63 26.5,65.63 29,65.63 31.5,65.63 41.5,65.63 46.5,65.63 56.5,65.63 71.5,65.63 94,65.63 96.5,65.63 99,65.63 109,65.63 -2.25,68.13 5.25,68.13 7.75,68.13 17.75,68.13 22.75,68.13 42.75,68.13 45.25,68.13 50.25,68.13 65.25,68.13 95.25,68.13 97.75,68.13 -6,70.63 6.5,70.63 9,70.63 11.5,70.63 19,70.63 41.5,70.63 114,70.63 -2.25,73.13 7.75,73.13 22.75,73.13 100.25,73.13 102.75,73.13 112.75,73.13 -6,75.63 9,75.63 16.5,75.63 21.5,75.63 36.5,75.63 101.5,75.63 114,75.63 95.25,78.13 100.25,78.13 112.75,78.13 12.7,80.01 -6,80.63 -1,80.63 1.5,80.63 4,80.63 6.5,80.63 11.5,80.63 14,80.63 44,80.63 49,80.63 5.25,83.13 7.75,83.13 12.75,83.13 22.75,83.13 25.25,83.13 27.75,83.13 30.25,83.13 37.75,83.13 40.25,83.13 45.25,83.13 50.25,83.13 52.75,83.13 102.75,83.13 105.25,83.13 -6,85.63 4,85.63 6.5,85.63 9,85.63 11.5,85.63 19,85.63 21.5,85.63 31.5,85.63 36.5,85.63 41.5,85.63 46.5,85.63 49,85.63 51.5,85.63 54,85.63 56.5,85.63 -4.75,88.13 2.75,88.13 17.75,88.13 22.75,88.13 95.25,88.13 102.75,88.13 -6,90.63 -3.5,90.63 -1,90.63 1.5,90.63 4,90.63 6.5,90.63 19,90.63 21.5,90.63 31.5,90.63 36.5,90.63 39,90.63 41.5,90.63 46.5,90.63 49,90.63 51.5,90.63 54,90.63 114,90.63 -4.75,93.13 22.75,93.13 35.25,93.13 42.75,93.13 102.75,93.13 -8.5,95.63 4,95.63 6.5,95.63 9,95.63 11.5,95.63 14,95.63 49,95.63 51.5,95.63 114,95.63 58.42,96.774 -7.25,98.13 -4.75,98.13 -2.25,98.13 10.25,98.13 12.75,98.13 25.25,98.13 27.75,98.13 30.25,98.13 67.75,98.13 97.75,98.13 102.75,98.13 -8.5,100.63 -6,100.63 1.5,100.63 24,100.63 26.5,100.63 29,100.63 91.5,100.63 96.5,100.63 99,100.63 -7.25,103.13 -2.25,103.13 0.25,103.13 2.75,103.13 5.25,103.13 7.75,103.13 20.25,103.13 22.75,103.13 25.25,103.13 27.75,103.13 30.25,103.13 100.25,103.13 110.25,103.13 -8.5,105.63 -3.5,105.63 -1,105.63 1.5,105.63 9,105.63 11.5,105.63 16.5,105.63 24,105.63 26.5,105.63 39,105.63 44,105.63 64,105.63 86.5,105.63 -4.75,108.13 -2.25,108.13 0.25,108.13 2.75,108.13 5.25,108.13 7.75,108.13 10.25,108.13 12.75,108.13 17.75,108.13 20.25,108.13 22.75,108.13 25.25,108.13 27.75,108.13 32.75,108.13 35.25,108.13 57.75,108.13 62.75,108.13 65.25,108.13 67.75,108.13 80.25,108.13 82.75,108.13 97.75,108.13 105.25,108.13 107.75,108.13 -8.5,110.63 -3.5,110.63 1.5,110.63 6.5,110.63 9,110.63 11.5,110.63 14,110.63 24,110.63 26.5,110.63 34,110.63 44,110.63 49,110.63 51.5,110.63 54,110.63 56.5,110.63 84,110.63 104,110.63 -4.75,113.13 -2.25,113.13 0.25,113.13 10.25,113.13 22.75,113.13 37.75,113.13 45.25,113.13 55.25,113.13 60.25,113.13 -8.5,115.63 -3.5,115.63 11.5,115.63 44,115.63 51.5,115.63 54,115.63 74,115.63 96.5,115.63 99,115.63 -4.75,118.13 -2.25,118.13 0.25,118.13 2.75,118.13 7.75,118.13 32.75,118.13 35.25,118.13 37.75,118.13 45.25,118.13 60.25,118.13 62.75,118.13 65.25,118.13 67.75,118.13 70.25,118.13 80.25,118.13 112.75,118.13 -8.5,120.63 -3.5,120.63 1.5,120.63 4,120.63 6.5,120.63 9,120.63 44,120.63 56.5,120.63 61.5,120.63 64,120.63 66.5,120.63 69,120.63 71.5,120.63 -4.75,123.13 -2.25,123.13 0.25,123.13 2.75,123.13 5.25,123.13 7.75,123.13 10.25,123.13 35.25,123.13 37.75,123.13 45.25,123.13 50.25,123.13 55.25,123.13 60.25,123.13 70.25,123.13 90.25,123.13 97.75,123.13 102.75,123.13 62.23,123.19 63.5,123.19 64.77,123.19 66.04,123.19 67.31,123.19 68.58,123.19 62.23,124.46 63.5,124.46 64.77,124.46 66.04,124.46 67.31,124.46 68.58,124.46 -8.5,125.63 6.5,125.63 9,125.63 11.5,125.63 24,125.63 44,125.63 46.5,125.63 54,125.63 56.5,125.63 84,125.63 86.5,125.63 89,125.63 96.5,125.63 99,125.63 101.5,125.63 104,125.63 109,125.63 62.23,125.73 63.5,125.73 64.77,125.73 66.04,125.73 67.31,125.73 68.58,125.73 62.23,127 63.5,127 64.77,127 66.04,127 67.31,127 68.58,127 -7.25,128.13 -4.75,128.13 2.75,128.13 7.75,128.13 12.75,128.13 15.25,128.13 22.75,128.13 25.25,128.13 27.75,128.13 35.25,128.13 45.25,128.13 50.25,128.13 52.75,128.13 55.25,128.13 60.25,128.13 70.25,128.13 82.75,128.13 85.25,128.13 87.75,128.13 90.25,128.13 62.23,128.27 63.5,128.27 64.77,128.27 66.04,128.27 67.31,128.27 68.58,128.27 62.23,129.54 63.5,129.54 64.77,129.54 66.04,129.54 67.31,129.54 68.58,129.54 -8.5,130.63 -6,130.63 -3.5,130.63 -1,130.63 1.5,130.63 6.5,130.63 9,130.63 11.5,130.63 14,130.63 44,130.63 46.5,130.63 79,130.63 84,130.63 109,130.63 111.5,130.63 114,130.63 62.23,130.81 63.5,130.81 64.77,130.81 66.04,130.81 67.31,130.81 68.58,130.81 -2.25,133.13 0.25,133.13 2.75,133.13 7.75,133.13 12.75,133.13 15.25,133.13 20.25,133.13 22.75,133.13 25.25,133.13 27.75,133.13 30.25,133.13 45.25,133.13 60.25,133.13 62.75,133.13 65.25,133.13 67.75,133.13 115.25,133.13 1.5,135.63 19,135.63 21.5,135.63 24,135.63 26.5,135.63 29,135.63 36.5,135.63 46.5,135.63 74,135.63 76.5,135.63 89,135.63 99,135.63 101.5,135.63 109,135.63 2.75,138.13 15.25,138.13 17.75,138.13 20.25,138.13 22.75,138.13 25.25,138.13 27.75,138.13 30.25,138.13 40.25,138.13 45.25,138.13 77.75,138.13 87.75,138.13 105.25,138.13 1.5,140.63 4,140.63 6.5,140.63 9,140.63 11.5,140.63 14,140.63 16.5,140.63 19,140.63 21.5,140.63 24,140.63 26.5,140.63 29,140.63 31.5,140.63 36.5,140.63 39,140.63 41.5,140.63 51.5,140.63 54,140.63 76.5,140.63 89,140.63 94,140.63 96.5,140.63 99,140.63 101.5,140.63 104,140.63 106.5,140.63 109,140.63 111.5,140.63 114,140.63
  other v2: 22.775,117.73 21.675,118.83 22.775,118.83 21.675,119.93 22.775,121.03 21.675,122.13 22.775,122.13
AREL1: K1.1 P4.45 P4.46 | length 76.7
  Top Layer w0.9: K1.1@43.815,12.065 43.815,10.16 51.435,2.54 84.455,2.54 92.71,-5.715 104.984,-5.715 P4.45@108.286,-2.413 P4.46@110.699,-2.413
AREL2: K1.4 P4.43 P4.44 | length 82.2
  Top Layer w1: K1.4@49.815,26.265 46.919,23.369 46.919,11.247 54.102,4.064 85.471,4.064 93.599,-4.064 99.441,-4.064 101.092,-2.413 P4.43@103.46,-2.413 P4.44@105.873,-2.413
AUDIO_GAIN0: U2.5 U13.67 | length 64.6
  Top Layer w0.2: U2.5@25.175,117.755 26.39,117.755 v1(26.924,117.221)
  Top Layer w0.254: v1(29.21,109.22) 29.21,105.791 33.782,101.219 61.595,101.219 62.846,102.47 70.885,102.47 72.459,100.896 U13.67@72.459,97.583
  Bottom Layer w0.254: v1(26.924,117.221) 27.94,117.221 29.21,115.951 v1(29.21,109.22)
AUDIO_GAIN1: U2.6 U13.60 | length 68.1
  Top Layer w0.2: U2.6@25.175,118.405 26.756,118.405 v1(26.924,118.237)
  Top Layer w0.254: v1(30.861,109.982) 30.895,109.948 30.895,105.39 34.158,102.127 61.219,102.127 62.597,103.505 72.91,103.505 75.959,100.456 U13.60@75.959,97.583
  Bottom Layer w0.254: v1(26.924,118.237) 28.067,118.237 30.861,115.443 v1(30.861,109.982)
AUDIO_NCS: R144.1 U13.59 | length 58.2
  Top Layer w0.254: R144.1@30.895,112.268 31.75,111.413 31.75,105.177 34.346,102.581 61.031,102.581 62.409,103.959 73.098,103.959 76.459,100.598 U13.59@76.459,97.583
AUDIO_NFLT: R143.1 R147.2 U13.66 | length 60.5
  Top Layer w0.2: R143.1@30.895,114.173 R147.2@32.605,114.173
  Top Layer w0.254: R143.1@30.895,114.173 30.099,114.173 29.972,114.046 29.972,105.671 33.97,101.673 61.407,101.673 62.658,102.924 71.073,102.924 72.936,101.061 72.936,97.606 U13.66@72.959,97.583
AVCC: C63.2 R145.2 R146.1 U2.7 | length 16.5
  Top Layer w0.2: U2.7@25.175,119.055 27.249,119.055 27.559,118.745 C63.2@28.67,118.745 ; R145.2@28.295,116.459 28.295,117.449 28.67,117.824 C63.2@28.67,118.745 ; R146.1@30.895,127.254 30.099,127.254 29.845,127 29.845,118.999 29.591,118.745 C63.2@28.67,118.745
AVCCMCU: L4.2 R40.2 U13.33 | length 10.8
  Top Layer w0.254: U13.33@89.34,94.245 90.562,94.245 92.202,95.885 93.825,95.885 R40.2@94.2,95.885
  Top Layer w0.5: L4.2@93.845,100.965 94.2,100.61 R40.2@94.2,95.885
BREL1: K2.1 P4.1 P4.22 | length 47.7
  Top Layer w0.9: K2.1@64.135,12.065 64.135,9.525 67.945,5.715 86.36,5.715 88.9,3.175 102.695,3.175 P4.1@103.46,2.41 103.46,1.21 P4.22@102.25,0
BREL2: K2.4 P4.2 P4.23 | length 61.4
  Top Layer w0.9: K2.4@70.135,26.265 67.492,23.622 67.55,23.565 67.55,22.695 67.183,22.328 67.183,11.557 71.247,7.493 86.614,7.493
  Top Layer w1: 86.614,7.493 87.122,7.493 89.535,5.08 103.203,5.08 P4.2@105.873,2.41 105.873,1.21 P4.23@104.663,0
CAN1_N: J8.2 R51.1 U35.6 | length 73.7
  Top Layer w0.381: U35.6@71.756,37.351 71.756,36.06 72.073,35.743 72.073,34.627 v1(71.864,34.417)
  Bottom Layer w0.381: J8.2@37.06,-0.51 37.685,0.115 R51.1@37.685,3.175 38.354,3.844 38.354,6.359 39.361,7.366 70.866,7.366 75.184,11.684 75.184,29.392 72.073,32.503 72.073,34.207 v1(71.864,34.417)
CAN1_P: J8.7 R51.2 U35.7 | length 78.2
  Top Layer w0.381: v1(72.918,34.417) 72.708,34.627 72.708,35.743 73.026,36.06 U35.7@73.026,37.351
  Bottom Layer w0.381: J8.7@35.675,-3.35 37.28,-1.745 37.572,-1.745 38.296,-1.022 38.296,0.198 39.785,1.687 R51.2@39.785,3.175 38.989,3.971 38.989,6.096 39.624,6.731 71.129,6.731 71.315,6.917 75.819,11.421 75.819,29.655 72.708,32.766 72.708,34.207 v1(72.918,34.417)
CAN1_RX: U13.114 U34.3 | length 26.5
  Top Layer w0.254: v1(70.486,56.515) 71.756,55.245 U34.3@71.756,51.295 ; U13.114@72.459,76.383 72.459,70.416 v1(72.517,70.358)
  Bottom Layer w0.254: v1(70.486,56.515) 70.486,59.564 72.517,61.595 v1(72.517,70.358)
CAN1_TX: U13.115 U34.2 | length 26.6
  Top Layer w0.254: v1(71.756,56.515) 73.026,55.245 U34.2@73.026,51.295 ; U13.115@72.959,76.383 72.959,74.622 72.933,74.596 72.933,71.72 v1(73.463,71.19)
  Bottom Layer w0.254: v1(71.756,56.515) 71.756,59.437 73.463,61.144 v1(73.463,71.19)
CAN2_N: J9.2 R142.1 U52.6 | length 44
  Top Layer w0.381: U52.6@80.645,37.351 80.645,36.06 80.962,35.743 80.962,34.662 84.201,31.423 84.201,30.309 v1(83.991,30.099)
  Bottom Layer w0.381: J9.2@73.255,-0.51 73.245,-0.5 R142.1@73.245,1.905 74.041,2.701 74.041,5.461 84.201,15.621 84.201,29.889 v1(83.991,30.099)
CAN2_P: J9.7 R142.2 U52.7 | length 48.6
  Top Layer w0.381: U52.7@81.915,37.351 81.915,36.06 81.597,35.743 81.597,34.925 84.836,31.686 84.836,30.309 v1(85.046,30.099)
  Bottom Layer w0.381: J9.7@71.87,-3.35 72.469,-3.35 74.549,-1.27 74.549,1.109 R142.2@75.345,1.905 74.676,2.574 74.676,5.198 84.836,15.358 84.836,29.889 v1(85.046,30.099)
CAN2_RX: U13.135 U51.3 | length 42.3
  Top Layer w0.254: U51.3@80.645,51.93 v1(80.645,53.34) ; U13.135@82.959,76.383 82.982,76.406 82.982,77.398 83.689,78.105 88.018,78.105 92.964,73.159 92.964,66.929 86.36,60.325 86.36,54.61 v1(85.09,53.34)
  Bottom Layer w0.254: v1(80.645,53.34) v1(85.09,53.34)
CAN2_TX: U13.136 U51.2 | length 38.5
  Top Layer w0.254: U51.2@81.915,51.295 81.823,51.387 81.823,58.328 82.55,59.055 83.759,59.055 92.129,67.425 92.129,73.352 87.83,77.651 83.877,77.651 83.482,77.256 83.482,76.406 U13.136@83.459,76.383
CH_NERR: P4.62 TP7.6 U7.4 U15.2 | length 150.2
  Top Layer w0.254: U15.2@123.19,88.9 125.857,88.9 126.873,87.884 126.873,80.137 130.048,76.962 130.048,69.977 133.604,66.421 167.306,66.421 169.545,64.182 v1(169.545,40.64) U7.4@169.545,7.48 169.545,6.985 168.91,6.35 167.005,6.35 163.068,2.413 163.068,-0.762 161.417,-2.413 P4.62@149.307,-2.413
  Bottom Layer w0.384: v1(169.545,40.64) TP7.6@170.815,39.37
CH_PULSE: Q31.1 R156.1 R157.2 | length 5.5
  Bottom Layer w0.5: Q31.1@145.345,-6.035 146.746,-6.035 147.066,-5.715 R156.1@148.175,-5.715 R157.2@148.175,-8.255
COOL_PWM: U13.47 U46.13 | length 18.2
  Top Layer w0.254: v1(81.915,102.235) 82.459,101.691 U13.47@82.459,97.583
  Bottom Layer w0.254: v1(81.915,102.235) 81.915,105.791 85.344,109.22 U46.13@90.31,109.22
CREL1: K3.1 P4.3 P4.24 | length 30.1
  Top Layer w0.9: K3.1@85.09,12.065 90.17,6.985 103.711,6.985 P4.3@108.286,2.41 108.286,1.21 P4.24@107.076,0
CREL2: K3.4 P4.4 P4.25 | length 44.6
  Top Layer w0.9: K3.4@91.09,26.265 87.884,23.059 87.884,13.208 91.186,9.906 103.203,9.906 P4.4@110.699,2.41 110.699,1.21 P4.25@109.489,0
DAC_CS: R23.1 TP10.3 U13.58 | length 56.6
  Top Layer w0.254: v1(75.565,104.394) 75.565,102.997 76.959,101.603 U13.58@76.959,97.583 ; v1(100.33,120.65) 107.315,120.65 107.442,120.523 107.569,120.65 108.839,119.38 R23.1@110.97,119.38 ; R23.1@111.345,119.38 v1(112.395,119.38)
  Bottom Layer w0.254: v1(75.565,104.394) 75.565,105.41 76.327,106.172 76.327,109.129 84.727,117.529 93.018,117.529 95.885,120.396 96.901,120.396 97.155,120.65 v1(100.33,120.65) ; TP10.3@109.855,118.11 111.125,118.11 v1(112.395,119.38)
DAC_MOSI: R19.1 TP10.1 U46.4 | length 29.6
  Top Layer w0.254: v1(110.998,124.206) 111.345,124.553 R19.1@111.345,125.73
  Bottom Layer w0.254: U46.4@95.11,106.68 101.6,106.68 104.775,109.855 104.775,114.808 108.458,118.491 108.458,121.666 v1(110.998,124.206)
DAC_N: C10.2 U2.11 | length 4.1
  Top Layer w0.2: U2.11@25.175,121.655 27.262,121.655 C10.2@28.67,123.063
DAC_OUT: R159.1 U13.40 | length 76.8
  Top Layer w0.254: R159.1@34.555,125.222 35.941,125.222 36.83,124.333 36.83,122.428 38.735,120.523 38.735,109.474 44.577,103.632 59.182,103.632 61.976,106.426 83.947,106.426 85.598,104.775 85.598,99.949 85.959,99.588 U13.40@85.959,97.583
DAC_P: C4.2 U2.12 | length 6
  Top Layer w0.2: U2.12@25.175,122.305 27.055,122.305 27.559,122.809 27.559,124.968 27.813,125.222 C4.2@28.67,125.222
DAC_SCK: R21.1 TP10.2 U13.69 | length 59.1
  Top Layer w0.254: v1(70.485,101.6) 71.459,100.626 U13.69@71.459,97.583 ; v1(100.33,122.174) 103.124,122.174 103.378,121.92 R21.1@110.97,121.92 ; R21.1@111.345,121.92 v1(112.395,121.92)
  Bottom Layer w0.254: v1(70.485,101.6) 75.365,106.48 75.365,108.999 80.594,114.228 80.594,114.249 84.328,117.983 92.83,117.983 97.021,122.174 v1(100.33,122.174) ; TP10.2@109.855,120.65 111.125,120.65 v1(112.395,121.92)